# Altium PCB MC21R01.PcbDoc (part 1 of 5) (continued)
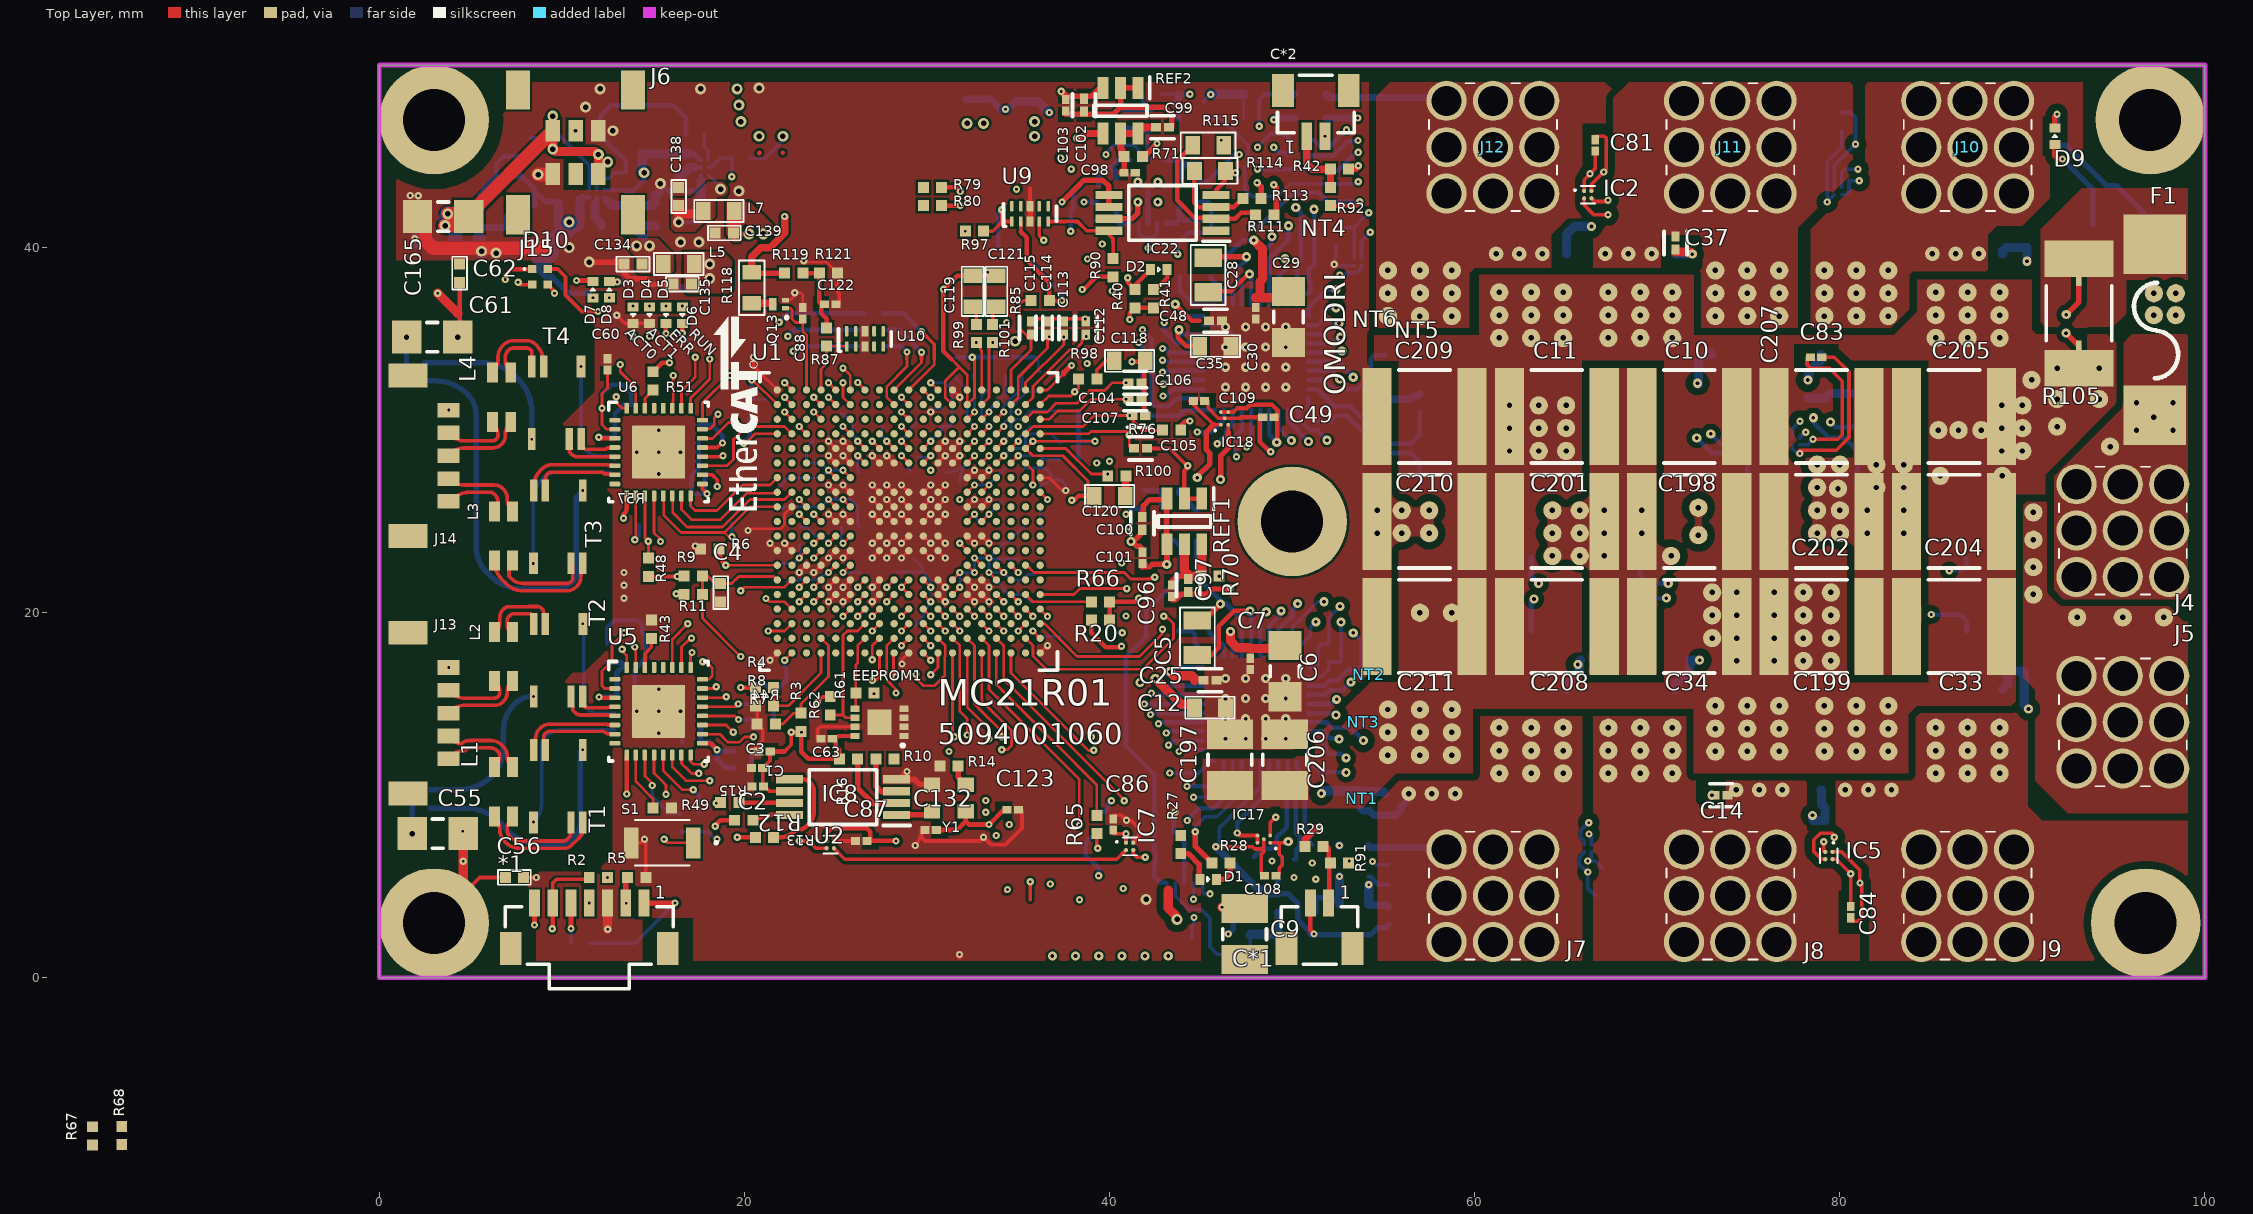
[diagram p0: Top Layer view]
## Components (designator, comment, footprint, x,y, rotation, side; value= is the part's Value field where it differs from the comment) (continued)
C45 "1000pF/16V 0402 10% X7R" "0402 SMD Capacitor" 50.5,38.1 r0 bottom value=1000pF/16V
C46 "1000pF/16V 0402 10% X7R" "0402 SMD Capacitor" 52.4,37.2 r90 bottom value=1000pF/16V
C47 "1000pF/16V 0402 10% X7R" "0402 SMD Capacitor" 52.1,31 r270 bottom value=1000pF/16V
C48 "1uF/6.3V 0201 10% X5R" FP-CL03-IPC_A 45.8,36 r180 top
C49 "100nF/25V 0201 10% X6S" CAPC0603X03N 48.7,30.7 r180 top value=100nF
C50 "100nF/25V 0201 10% X6S" CAPC0603X03N 23.3,29.45 r180 bottom value=100nF
C51 "100nF/25V 0201 10% X6S" CAPC0603X03N 21.55,25.7 r180 bottom value=100nF
C52 "100nF/25V 0201 10% X6S" CAPC0603X03N 13.2,13.6 r180 bottom value=100nF
C53 "100nF/25V 0201 10% X6S" CAPC0603X03N 13.2,14.5 r180 bottom value=100nF
C54 "100nF/25V 0201 10% X6S" CAPC0603X03N 13.9,18.9 r0 bottom value=100nF
C55 "1000pF/2KV" "1206 SMD Capacitor" 3.2,7.9 r0 top
C56 "2200pF/100V 0402 10% X7S" "0402 SMD Capacitor" 7.4,5.5 r180 top value=2200pF/100V
C57 "100nF/25V 0201 10% X6S" CAPC0603X03N 33.3,17.95 r0 bottom value=100nF
C58 "100nF/25V 0201 10% X6S" CAPC0603X03N 13.4,27.5 r180 bottom value=100nF
C59 "100nF/25V 0201 10% X6S" CAPC0603X03N 13.21,28.4 r180 bottom value=100nF
C60 "100nF/25V 0201 10% X6S" CAPC0603X03N 12.5,33.6 r90 top value=100nF
C61 "1000pF/2KV" "1206 SMD Capacitor" 2.9,35.1 r0 top
C62 "2200pF/100V 0402 10% X7S" "0402 SMD Capacitor" 4.4,38.6 r270 top value=2200pF/100V
C63 "100nF/25V 0201 10% X6S" CAPC0603X03N 24.5,13.1 r180 top value=100nF
C64 "10nF/10V 0402 20% X5R" "0402 SMD Capacitor" 13.5,15.5 r0 bottom value=10nF/10V
C65 "100nF/25V 0201 10% X6S" CAPC0603X03N 13.5,16.4 r0 bottom value=100nF
C66 "1uF/6.3V 0201 10% X5R" FP-CL03-IPC_A 13.723,17.132 r0 bottom
C67 "10uF/6.3V 0402 20% X5R" "0402 SMD Capacitor" 12.5,17.8 r90 bottom value=10uF/6.3V
C68 "10nF/10V 0402 20% X5R" "0402 SMD Capacitor" 17.1,12.9 r180 bottom value=10nF/10V
C69 "100nF/25V 0201 10% X6S" CAPC0603X03N 19.9,12.4 r0 bottom value=100nF
C70 "1uF/6.3V 0201 10% X5R" FP-CL03-IPC_A 17.1,13.8 r180 bottom
C71 "1uF/6.3V 0201 10% X5R" FP-CL03-IPC_A 19.9,11.5 r0 bottom
C72 "10nF/10V 0402 20% X5R" "0402 SMD Capacitor" 16.6,26.6 r180 bottom value=10nF/10V
C73 "100nF/25V 0201 10% X6S" CAPC0603X03N 16.6,27.5 r180 bottom value=100nF
C74 "1uF/6.3V 0201 10% X5R" FP-CL03-IPC_A 17,28.4 r180 bottom
C75 "10uF/6.3V 0402 20% X5R" "0402 SMD Capacitor" 18.5,27.6 r0 bottom value=10uF/6.3V
C76 "10nF/10V 0402 20% X5R" "0402 SMD Capacitor" 13.4,29.6 r0 bottom value=10nF/10V
C77 "100nF/25V 0201 10% X6S" CAPC0603X03N 13.4,30.5 r0 bottom value=100nF
C78 "1uF/6.3V 0201 10% X5R" FP-CL03-IPC_A 14.3,31.4 r0 bottom
C79 "1uF/6.3V 0201 10% X5R" FP-CL03-IPC_A 12.2,32.5 r90 bottom
C80 "100nF/25V 0201 10% X6S" CAPC0603X03N 52.4,40.6 r270 bottom value=100nF
C81 "100nF/25V 0201 10% X6S" CAPC0603X03N 66.6,45.6 r90 top value=100nF
C82 "100nF/25V 0201 10% X6S" CAPC0603X03N 80.1,46.9 r270 bottom value=100nF
C83 "100nF/25V 0201 10% X6S" CAPC0603X03N 78.7,34 r180 top value=100nF
C84 "100nF/25V 0201 10% X6S" CAPC0603X03N 80.6,3.6 r90 top value=100nF
C85 "100nF/25V 0201 10% X6S" CAPC0603X03N 66.4,4 r270 bottom value=100nF
C86 "100nF/25V 0201 10% X6S" CAPC0603X03N 40.2,8.4 r90 top value=100nF
C87 "100nF/25V 0201 10% X6S" CAPC0603X03N 26.4,7.5 r180 top value=100nF
C88 "100nF/25V 0201 10% X6S" CAPC0603X03N 23.2,36.4 r90 top value=100nF
C96 "100nF/25V 0201 10% X6S" CAPC0603X03N 43.4,21.2 r270 top value=100nF
C97 "1uF/6.3V 0201 10% X5R" FP-CL03-IPC_A 44.3,21.5 r270 top
C98 "100nF/25V 0201 10% X6S" CAPC0603X03N 41.1,44.1 r0 top value=100nF
C99 "1uF/6.3V 0201 10% X5R" FP-CL03-IPC_A 42.9,46.6 r0 top
C100 "1uF/6.3V 0201 10% X5R" FP-CL03-IPC_A 41.8,24.9 r270 top
C101 "100nF/25V 0201 10% X6S" CAPC0603X03N 41.8,23 r90 top value=100nF
C102 "1uF/6.3V 0201 10% X5R" FP-CL03-IPC_A 38.6,47.8 r270 top
C103 "100nF/25V 0201 10% X6S" CAPC0603X03N 37.6,47.8 r270 top value=100nF
C104 "2200pF/50V 0201 10% X7R" FP-GRM033-0_03-IPC_A 41.4,31.7 r180 top
C105 "2200pF/50V 0201 10% X7R" FP-GRM033-0_03-IPC_A 41.7,29 r180 top
C106 "2200pF/50V 0201 10% X7R" FP-GRM033-0_03-IPC_A 41.4,32.6 r180 top
C107 "2200pF/50V 0201 10% X7R" FP-GRM033-0_03-IPC_A 41.6,30.8 r180 top
C108 "100nF/25V 0201 10% X6S" CAPC0603X03N 48.8,5.6 r0 top value=100nF
C109 "100nF/25V 0201 10% X6S" CAPC0603X03N 44.9,31.6 r180 top value=100nF
C110 "2200pF/50V 0201 10% X7R" FP-GRM033-0_03-IPC_A 36.1,32.6 r270 bottom
C111 "2200pF/50V 0201 10% X7R" FP-GRM033-0_03-IPC_A 35.2,33.5 r270 bottom
C112 "2200pF/50V 0201 10% X7R" FP-GRM033-0_03-IPC_A 38.7,35.6 r270 top
C113 "2200pF/50V 0201 10% X7R" FP-GRM033-0_03-IPC_A 37.5,35.6 r270 top
C114 "2200pF/50V 0201 10% X7R" FP-GRM033-0_03-IPC_A 36.6,35.6 r270 top
C115 "2200pF/50V 0201 10% X7R" FP-GRM033-0_03-IPC_A 35.7,35.6 r270 top
C116 "1uF/6.3V 0201 10% X5R" FP-CL03-IPC_A 40.7,47 r90 bottom
C117 "100nF/25V 0201 10% X6S" CAPC0603X03N 41.5,47 r90 bottom value=100nF
C118 "22uF/10V 0603 20% X5R" "0603 SMD capacitor" 41.1,33.8 r0 top value=22uF/10V
C119 "22uF/10V 0603 20% X5R" "0603 SMD capacitor" 32.5,37.6 r90 top value=22uF/10V
C120 "22uF/10V 0603 20% X5R" "0603 SMD capacitor" 40,26.4 r180 top value=22uF/10V
C121 "22uF/10V 0603 20% X5R" "0603 SMD capacitor" 33.8,37.6 r90 top value=22uF/10V
C122 "100nF/25V 0201 10% X6S" CAPC0603X03N 24.7,36.9 r0 top value=100nF
C123 "100nF/25V 0201 10% X6S" CAPC0603X03N 34.7,9.2 r0 top value=100nF
C124 "2200pF/50V 0201 10% X7R" FP-GRM033-0_03-IPC_A 32.5,33.5 r90 bottom
C125 "2200pF/50V 0201 10% X7R" FP-GRM033-0_03-IPC_A 31.6,33.5 r90 bottom
C126 "2200pF/50V 0201 10% X7R" FP-GRM033-0_03-IPC_A 34.3,33.5 r90 bottom
C127 "2200pF/50V 0201 10% X7R" FP-GRM033-0_03-IPC_A 33.4,33.5 r90 bottom
C128 "2200pF/50V 0201 10% X7R" FP-GRM033-0_03-IPC_A 37.8,29.3 r0 bottom
C129 "2200pF/50V 0201 10% X7R" FP-GRM033-0_03-IPC_A 37.8,31.1 r0 bottom
C130 "2200pF/50V 0201 10% X7R" FP-GRM033-0_03-IPC_A 37.8,28.4 r0 bottom
C131 "2200pF/50V 0201 10% X7R" FP-GRM033-0_03-IPC_A 37.8,30.2 r0 bottom
C132 "100nF/25V 0201 10% X6S" CAPC0603X03N 30.2,8.1 r180 top value=100nF
C134 "2.2uF/6.3V 0402 10% X5R" "0402 SMD Capacitor" 13.9,39.1 r180 top value=2.2uF/6.3V
C135 "2.2uF/6.3V 0402 10% X5R" "0402 SMD Capacitor" 16.6,38 r180 top value=2.2uF/6.3V
C136 "2.2uF/6.3V 0402 10% X5R" "0402 SMD Capacitor" 31.8,45.9 r180 bottom value=2.2uF/6.3V
C137 "2.2uF/6.3V 0402 10% X5R" "0402 SMD Capacitor" 35,47.5 r90 bottom value=2.2uF/6.3V
C138 "10uF/6.3V 0402 20% X5R" "0402 SMD Capacitor" 16.4,42.8 r90 top value=10uF/6.3V
C139 "10uF/6.3V 0402 20% X5R" "0402 SMD Capacitor" 18.9,40.8 r180 top value=10uF/6.3V
C140 "100nF/25V 0201 10% X6S" CAPC0603X03N 26.8,27.7 r0 bottom value=100nF
C141 "100nF/25V 0201 10% X6S" CAPC0603X03N 28.55,27.7 r180 bottom value=100nF
C142 "100nF/25V 0201 10% X6S" CAPC0603X03N 33.3,24.7 r0 bottom value=100nF
C143 "100nF/25V 0201 10% X6S" CAPC0603X03N 24.8,24.7 r180 bottom value=100nF
C144 "100nF/25V 0201 10% X6S" CAPC0603X03N 26.3,22.7 r90 bottom value=100nF
C145 "100nF/25V 0201 10% X6S" CAPC0603X03N 27.847,22.233 r180 bottom value=100nF
C146 "100nF/25V 0201 10% X6S" CAPC0603X03N 30.3,22.2 r0 bottom value=100nF
C147 "100nF/25V 0201 10% X6S" CAPC0603X03N 31.8,26.7 r270 bottom value=100nF
C148 "100nF/25V 0201 10% X6S" CAPC0603X03N 30.55,27.7 r180 bottom value=100nF
C149 "100nF/25V 0201 10% X6S" CAPC0603X03N 33.9,27 r0 bottom value=100nF
C150 "100nF/25V 0201 10% X6S" CAPC0603X03N 30.8,30.7 r90 bottom value=100nF
C151 "100nF/25V 0201 10% X6S" CAPC0603X03N 27.05,30.2 r180 bottom value=100nF
C152 "100nF/25V 0201 10% X6S" CAPC0603X03N 29.3,20.7 r270 bottom value=100nF
C153 "100nF/25V 0201 10% X6S" CAPC0603X03N 24.55,19.2 r270 bottom value=100nF
C154 "100nF/25V 0201 10% X6S" CAPC0603X03N 22.55,23.7 r180 bottom value=100nF
C155 "100nF/25V 0201 10% X6S" CAPC0603X03N 27.8,19.45 r270 bottom value=100nF
C156 "100nF/25V 0201 10% X6S" CAPC0603X03N 26.2,26.3 r90 bottom value=100nF
C157 "100nF/25V 0201 10% X6S" CAPC0603X03N 26.8,24.7 r0 bottom value=100nF
C158 "100nF/25V 0201 10% X6S" CAPC0603X03N 34.848,23.8 r0 bottom value=100nF
C159 "100nF/25V 0201 10% X6S" CAPC0603X03N 31.777,22.47 r90 bottom value=100nF
C160 "100nF/25V 0201 10% X6S" CAPC0603X03N 31.8,24.45 r90 bottom value=100nF
C161 "100nF/25V 0201 10% X6S" CAPC0603X03N 35,17.6 r270 bottom value=100nF
C162 "100nF/25V 0201 10% X6S" CAPC0603X03N 35.55,22.95 r0 bottom value=100nF
C163 "100nF/25V 0201 10% X6S" CAPC0603X03N 36.4,22.1 r0 bottom value=100nF
C164 "100nF/25V 0201 10% X6S" CAPC0603X03N 31.4,17.4 r0 bottom value=100nF
C165 "10uf/50V 1206 10% X5R" "1206 SMD Capacitor" 3.5,41.7 r180 top value=10uF/50V
C166 "4.7uf/50V 0805 10% X5R" "0805 SMD capacitor" 3.1,40.3 r180 bottom value=4.7uF/50V
C167 "100nF/25V 0201 10% X6S" CAPC0603X03N 3.4,42 r180 bottom value=100nF
C168 "22uF/10V 0603 20% X5R" "0603 SMD capacitor" 9.8,43.3 r90 bottom value=22uF/10V
C170 "47nF/16V 0402 10% X7R" "0402 SMD Capacitor" 43.3,26.7 r0 bottom value=47nF/16V
C171 "4.7uF/16V 0603 10% X5R" "0603 SMD capacitor" 7.9,39.4 r180 bottom value=4.7uF/16V
C172 "1uF/6.3V 0201 10% X5R" FP-CL03-IPC_A 11,40.5 r270 bottom
C173 "22uF/10V 0603 20% X5R" "0603 SMD capacitor" 15.1,42 r90 bottom value=22uF/10V
C174 "4.7uF/16V 0603 10% X5R" "0603 SMD capacitor" 14.4,46 r90 bottom value=4.7uF/16V
C175 "1uF/6.3V 0201 10% X5R" FP-CL03-IPC_A 15.6,45.6 r90 bottom
C176 "22uF/10V 0603 20% X5R" "0603 SMD capacitor" 18.4,41.4 r0 bottom value=22uF/10V
C177 "100nF/25V 0201 10% X6S" CAPC0603X03N 21.4,26.9 r180 bottom value=100nF
C178 "100nF/25V 0201 10% X6S" CAPC0603X03N 34.797,27.932 r0 bottom value=100nF
C179 "100nF/25V 0201 10% X6S" CAPC0603X03N 36.3,20.6 r0 bottom value=100nF
C180 "100nF/25V 0201 10% X6S" CAPC0603X03N 35.8,24.7 r0 bottom value=100nF
C181 "100nF/25V 0201 10% X6S" CAPC0603X03N 22.8,19.45 r180 bottom value=100nF
C182 "100nF/25V 0201 10% X6S" CAPC0603X03N 36.8,26.8 r90 bottom value=100nF
C183 "100nF/25V 0201 10% X6S" CAPC0603X03N 29.7,32.6 r180 bottom value=100nF
C184 "100nF/25V 0201 10% X6S" CAPC0603X03N 37.3,18.2 r270 bottom value=100nF
C185 "100nF/25V 0201 10% X6S" CAPC0603X03N 22.8,16.95 r0 bottom value=100nF
C186 "100nF/25V 0201 10% X6S" CAPC0603X03N 21.2,31.2 r270 bottom value=100nF
C187 "100nF/25V 0201 10% X6S" CAPC0603X03N 21.55,22.7 r180 bottom value=100nF
C188 "100nF/25V 0201 10% X6S" CAPC0603X03N 30.524,24.603 r180 bottom value=100nF
C189 "100nF/25V 0201 10% X6S" CAPC0603X03N 29.3,23.45 r90 bottom value=100nF
C190 "100nF/25V 0201 10% X6S" CAPC0603X03N 22.3,21.2 r270 bottom value=100nF
C191 "100nF/25V 0201 10% X6S" CAPC0603X03N 22.55,24.7 r180 bottom value=100nF
C192 "100nF/25V 0201 10% X6S" CAPC0603X03N 25.347,31.4 r90 bottom value=100nF
C193 "100nF/25V 0201 10% X6S" CAPC0603X03N 29.4,30.9 r90 bottom value=100nF
C194 "100nF/25V 0201 10% X6S" CAPC0603X03N 34.796,26.117 r0 bottom value=100nF
C195 "100nF/25V 0201 10% X6S" CAPC0603X03N 29.3,18.7 r270 bottom value=100nF
C196 "10nF/10V 0402 20% X5R" "0402 SMD Capacitor" 42.3,47 r90 bottom value=10nF/10V
C197 "2.2uF/100V 1210 10% X7R" "1210 SMD capacitor h=2mm" 46.595,11.941 r90 top value=2.2uF/100V
C198 "22uF/100V 2220 20% X7S" "2220 SMD Capacitor H=5MM" 71.75,25 r0 top locked value=22uF/100V
C199 "22uF/100V 2220 20% X7S" "2220 SMD Capacitor H=5MM" 79,19.25 r180 top locked value=22uF/100V
C200 "2.2uF/100V 1210 10% X7R" "1210 SMD capacitor h=2mm" 95.25,38.25 r0 bottom value=2.2uF/100V
C201 "22uF/100V 2220 20% X7S" "2220 SMD Capacitor H=5MM" 64.5,25 r180 top locked value=22uF/100V
C202 "22uF/100V 2220 20% X7S" "2220 SMD Capacitor H=5MM" 79,25 r180 top locked value=22uF/100V
C203 "2.2uF/100V 1210 10% X7R" "1210 SMD capacitor h=2mm" 95.25,41.25 r0 bottom value=2.2uF/100V
C204 "22uF/100V 2220 20% X7S" "2220 SMD Capacitor H=5MM" 86.25,25 r0 top locked value=22uF/100V
C205 "22uF/100V 2220 20% X7S" "2220 SMD Capacitor H=5MM" 86.25,30.75 r0 top locked value=22uF/100V
C206 "2.2uF/100V 1210 10% X7R" "1210 SMD capacitor h=2mm" 49.6,11.941 r90 top value=2.2uF/100V
C207 "22uF/100V 2220 20% X7S" "2220 SMD Capacitor H=5MM" 79,30.75 r180 top locked value=22uF/100V
C208 "22uF/100V 2220 20% X7S" "2220 SMD Capacitor H=5MM" 64.5,19.25 r180 top locked value=22uF/100V
C209 "22uF/100V 2220 20% X7S" "2220 SMD Capacitor H=5MM" 57.25,30.75 r0 top locked value=22uF/100V
C210 "22uF/100V 2220 20% X7S" "2220 SMD Capacitor H=5MM" 57.25,25 r0 top locked value=22uF/100V
C211 "22uF/100V 2220 20% X7S" "2220 SMD Capacitor H=5MM" 57.25,19.25 r0 top locked value=22uF/100V
C*1 "Molex 501331-0207" "Molex 501331-0207" 52,4.1 r0 top
C*2 "Molex 501331-0207" "Molex 501331-0207" 50.8,46.1 r180 top locked
D1 "Red" "0402 SMD LED Red" 45.4,5.4 r180 top
D2 "Red" "0402 SMD LED Red" 42.7,38.8 r180 top
D3 "Green" "0402 SMD LED GREEN" 13.9,36.3 r90 top
D4 "Green" "0402 SMD LED GREEN" 14.8,36.3 r90 top
D5 "Red" "0402 SMD LED Red" 15.7,36.3 r90 top
D6 "Green" "0402 SMD LED GREEN" 16.6,36.3 r90 top
D7 "Green" "0402 SMD LED GREEN" 11.7,37.7 r270 top
D8 "Green" "0402 SMD LED GREEN" 12.6,37.7 r270 top
D9 "Green" "0402 SMD LED GREEN" 91.781,46.106 r270 top
D10 "RGB LED" "LRTB R48G" 8.8,38.4 r90 top
EEPROM1 "CAT24C16HU4I-GT3" PQFN50P300X200X50_HS-9N 27.4,14 r180 top
F1 "0463030.ER" 0463030.ER 97.25,35.5 r90 top
IC1 "TMP144YFFT" TMP144YFFT 53.6,39.2 r270 bottom
IC2 "TMP144YFFT" TMP144YFFT 66.195,42.9 r0 top
IC3 "TMP144YFFT" TMP144YFFT 79.9,43.1 r270 bottom
IC4 "TMP144YFFT" TMP144YFFT 77.6,29.4 r0 bottom
IC5 "TMP144YFFT" TMP144YFFT 79.4,6.7 r270 top
IC6 "TMP144YFFT" TMP144YFFT 66.2,7.1 r0 bottom
IC7 "TMP144YFFT" TMP144YFFT 41.1,7.2 r0 top
IC8 "TMP144YFFT" TMP144YFFT 24.7,7.3 r0 top
IC17 "OPA330AIYFFT" "OPA330 DSBGA" 48.446,7.6 r90 top
IC18 "OPA330AIYFFT" "OPA330 DSBGA" 46.3,30.646 r0 top
IC19 "OPA4330AIRGY" "OPA4330 RGY" 42.098,43.05 r0 bottom
IC20 "LMZM23601V5SILR" LMZM23601V5SILR 6.55,41.7 r0 bottom
IC21 "TPS6208833YFPT" BGA6C40P2X3_80X120X50 11.9,42.97 r270 bottom
IC22 "INA240A1PW" SOP65P640X120-8N 42.9,41.9 r180 top
IC23 "TPS6208812YFPT" BGA6C40P2X3_80X120X50 17.811,44.389 r180 bottom
J4 "WE_7461094" WE_7461094 95.5,24.5 r90 top locked
J5 "WE_7461094" WE_7461094 95.5,14 r90 top locked
J6 "Molex 5055680381" "Molex 5055680381" 9.5,46.4 r0 top
J7 "WE_7461094" WE_7461094 61,4.5 r0 top locked
J8 "WE_7461094" WE_7461094 74,4.5 r0 top locked
J9 "WE_7461094" WE_7461094 87,4.5 r0 top locked
J10 "WE_7461094" WE_7461094 87,45.5 r180 top locked
J11 "WE_7461094" WE_7461094 74,45.5 r180 top locked
J12 "WE_7461094" WE_7461094 61,45.5 r180 top locked
J13 "Molex 5055680581" "Molex 5055680581" 3.8,12 r90 top
J14 "Molex 5055680581" "Molex 5055680581" 3.8,26.1 r90 top
J15 "Molex 5055680381" "Molex 5055680381" 12,44.03 r180 top locked
L1 "2200Ohm" 744232222 6.8,10.2 r90 top
L2 "2200Ohm" 744232222 6.8,17.6 r270 top
L3 "2200Ohm" 744232222 6.8,24.2 r90 top
L4 "2200Ohm" 744232222 6.7,31.8 r270 top
L5 "60R@100MHz" "0603 SMD inductor" 16.4,39.1 r180 top
L6 "60R@100MHz" "0603 SMD inductor" 34.2,45.9 r180 bottom
L7 "220R @ 100MHz" "0603 SMD inductor" 18.6,42 r180 top
L8 "470nH" "0603 SMD inductor" 13,41.2 r180 bottom
L9 "240nH" "0603 SMD inductor" 16.46,43.1 r90 bottom
NT1 "Net Tie SMD" "Net Tie SMD 0.4x0.8mm"#1 53.8,9.8 r0 top net-tie
NT2 "Net Tie SMD" "Net Tie SMD 0.4x0.8mm"#2 54.2,16.6 r0 top net-tie
NT3 "Net Tie SMD" "Net Tie SMD 0.4x0.8mm"#3 53.9,14 r90 top net-tie
NT4 "Net Tie SMD" "Net Tie SMD 0.4x0.8mm"#3 51,41.3 r0 top net-tie
NT5 "Net Tie SMD" "Net Tie SMD 0.4x0.8mm"#1 56,34 r0 top net-tie
NT6 "Net Tie SMD" "Net Tie SMD 0.4x0.8mm"#4 53.5,34.4 r90 top net-tie
NT7 "Net Tie SMD" "Net Tie SMD 0.4x0.8mm"#5 32.975,48.125 r180 bottom net-tie
Q1 "TPW3R70APL" "DSOP Advance Toshiba" 57,12.95 r90 bottom locked
Q2 "TPW3R70APL" "DSOP Advance Toshiba" 74.929,13.15 r90 bottom locked
Q3 "TPW3R70APL" "DSOP Advance Toshiba" 80.906,13.15 r90 bottom locked
Q4 "TPW3R70APL" "DSOP Advance Toshiba" 63.094,12.95 r270 bottom locked
Q5 "TPW3R70APL" "DSOP Advance Toshiba" 69.071,12.95 r270 bottom locked
Q6 "TPW3R70APL" "DSOP Advance Toshiba" 87,12.95 r270 bottom locked
Q7 "TPW3R70APL" "DSOP Advance Toshiba" 87,36.8 r270 bottom locked
Q8 "TPW3R70APL" "DSOP Advance Toshiba" 69.071,36.8 r270 bottom locked
Q9 "TPW3R70APL" "DSOP Advance Toshiba" 63.094,36.8 r270 bottom locked
Q10 "TPW3R70APL" "DSOP Advance Toshiba" 80.906,37 r90 bottom locked
Q11 "TPW3R70APL" "DSOP Advance Toshiba" 74.929,37 r90 bottom locked
Q12 "TPW3R70APL" "DSOP Advance Toshiba" 57,37 r90 bottom locked
Q13 "BC847BMB,315" SOT883B 21.9,36.9 r180 top
R1 "2K2 1%" "0402 SMD rESISTOR" 11,1.9 r0 bottom value=2.2k
R2 "22R 1%" "0402 SMD rESISTOR" 12,5.5 r180 top value=22R
R3 "56k 1%" "0402 SMD rESISTOR" 23.1,14 r270 top value=56k
R4 "56k 1%" "0402 SMD rESISTOR" 21.1,15.9 r180 top value=56k
R5 "2K2 1%" "0402 SMD rESISTOR" 14.1,5.5 r180 top value=2.2k
R6 "2K2 1%" "0402 SMD rESISTOR" 18.1,23.5 r0 top value=2.2k
R7 "2K2 1%" "0402 SMD rESISTOR" 21.2,13.9 r0 top value=2.2k
R8 "2K2 1%" "0402 SMD rESISTOR" 21.1,14.9 r0 top value=2.2k
R9 "4.7K 1%" "0402 SMD rESISTOR" 17.2,22 r180 top value=4.7K
R10 "10R 1%" "0402 SMD rESISTOR" 27.7,12 r180 top value=10R
R11 "0R 1%" "0402 SMD rESISTOR" 17.2,21 r180 top value=0R
R12 "10R 1%" "0402 SMD rESISTOR" 19.966,8.634 r0 top value=10R
R13 "10R 1%" "0402 SMD rESISTOR" 21.1,7.7 r0 top value=10R
R14 "0R 1%" "0402 SMD rESISTOR" 31.2,11.6 r180 top value=0R
R15 "10R 1%" "0402 SMD rESISTOR" 19.2,9.6 r0 top value=10R
R16 "10K 1%" "0402 SMD rESISTOR" 25.7,12 r180 top value=10K
R17 "390k 1%" "0603 SMD resistor" 54.2,6.4 r90 bottom
R18 "390k 1%" "0603 SMD resistor" 52.6,6.4 r90 bottom
R19 "390k 1%" "0603 SMD resistor" 47.7,3.2 r90 bottom
R20 "1K 1%" "0402 SMD rESISTOR" 39.5,19.6 r180 top value=1K
R21 "12k 1%" "0603 SMD resistor" 54.2,3.2 r90 bottom
R22 "12k 1%" "0603 SMD resistor" 52.6,3.2 r90 bottom
R23 "12k 1%" "0603 SMD resistor" 50.126,2.424 r180 bottom
R24 "0.005R/3W" "2512 SMD RESISTOR V2 NETTIE" 63.095,21 r0 bottom
R25 "0.005R/3W" "2512 SMD RESISTOR V2 NETTIE" 69.071,21 r0 bottom
R26 "0.005R/3W" "2512 SMD RESISTOR V2 NETTIE" 86.941,21 r0 bottom
R27 "10K 1%" "0402 SMD rESISTOR" 43.9,7.3 r270 top value=10K
R28 "2K2 1%" "0402 SMD rESISTOR" 46.1,6.3 r0 top value=2.2k
R29 "4.7K 1%" "0402 SMD rESISTOR" 51.2,7.2 r180 top value=4.7K
R30 "390k 1%" "0603 SMD resistor" 44.6,47.1 r0 bottom
R31 "390k 1%" "0603 SMD resistor" 51,47.1 r0 bottom
R32 "390k 1%" "0603 SMD resistor" 51,48.4 r0 bottom
R33 "47K 1%" "0402 SMD rESISTOR" 91.9,46.1 r90 bottom value=47K
R34 "12k 1%" "0603 SMD resistor" 44.6,48.4 r180 bottom
R35 "12k 1%" "0603 SMD resistor" 48.2,47.1 r0 bottom
R36 "12k 1%" "0603 SMD resistor" 48.2,48.4 r0 bottom
R37 "0.005R/3W" "2512 SMD RESISTOR V2 NETTIE" 80.905,29 r180 bottom
R38 "0.005R/3W" "2512 SMD RESISTOR V2 NETTIE" 74.929,29 r180 bottom
R39 "0.005R/3W" "2512 SMD RESISTOR V2 NETTIE" 57,29 r180 bottom
R40 "10K 1%" "0402 SMD rESISTOR" 41.4,37.2 r90 top value=10K
R41 "2K2 1%" "0402 SMD rESISTOR" 42.4,37.2 r90 top value=2.2k
R42 "4.7K 1%" "0402 SMD rESISTOR" 52.6,44.3 r0 top value=4.7K
R43 "2.49K 1%" "0402 SMD rESISTOR" 14.9,19.1 r270 top value=2.49K
R44 "2.49K 1%" "0402 SMD rESISTOR" 21,14.1 r180 bottom value=2.49K
R45 "75R 1%" "0402 SMD rESISTOR" 2.3,9.3 r0 bottom value=75R
R46 "2.49K 1%" "0402 SMD rESISTOR" 17.5,8.5 r270 bottom value=2.49K
R47 "75R 1%" "0402 SMD rESISTOR" 2.3,10.3 r0 bottom value=75R
R48 "2K2 1%" "0402 SMD rESISTOR" 14.749,22.489 r270 top value=2.2k
R49 "6.49K 1%" "0402 SMD rESISTOR" 15.5,9.3 r0 top value=6.49K
R50 "10K 1%" "0402 SMD rESISTOR" 21.1,15 r180 bottom value=10K
R51 "2.49K 1%" "0402 SMD rESISTOR" 15,32.7 r270 top value=2.49K
R52 "2.49K 1%" "0402 SMD rESISTOR" 20.3,31.2 r270 bottom value=2.49K
R53 "75R 1%" "0402 SMD rESISTOR" 2,32.7 r0 bottom value=75R
R54 "2.49K 1%" "0402 SMD rESISTOR" 18.8,24.9 r180 bottom value=2.49K
R55 "75R 1%" "0402 SMD rESISTOR" 2,33.7 r0 bottom value=75R
R56 "2K2 1%" "0402 SMD rESISTOR" 16.5,8.5 r270 bottom value=2.2k
R57 "6.49K 1%" "0402 SMD rESISTOR" 14.2,25.3 r90 bottom value=6.49K
R58 "10K 1%" "0402 SMD rESISTOR" 17.5,29.8 r90 bottom value=10K
R59 "2K2 1%" "0402 SMD rESISTOR" 13.9,36.3 r270 bottom value=2.2k
R60 "2K2 1%" "0402 SMD rESISTOR" 14.8,36.3 r270 bottom value=2.2k
R61 "4.7K 1%" "0402 SMD rESISTOR" 26.6,15.6 r0 top value=4.7K
R62 "4.7K 1%" "0402 SMD rESISTOR" 24.7,14.9 r90 top value=4.7K
R63 "2K2 1%" "0402 SMD rESISTOR" 15.7,37.3 r270 bottom value=2.2k
R64 "2K2 1%" "0402 SMD rESISTOR" 16.6,37.3 r270 bottom value=2.2k
R65 "22R 1%" "0402 SMD rESISTOR" 39.3,8.4 r90 top value=22R
R66 "22R 1%" "0402 SMD rESISTOR" 39.5,20.6 r0 top value=22R
R67 "22R 1%" "0402 SMD rESISTOR" -15.709,-8.654 r90 top value=22R
R68 "22R 1%" "0402 SMD rESISTOR" -14.106,-8.637 r90 top value=22R
R69 "22R 1%" "0402 SMD rESISTOR" 39.4,8.6 r270 bottom value=22R
R70 "1K 1%" "0402 SMD rESISTOR" 45.5,22 r180 top value=1K
R71 "1K 1%" "0402 SMD rESISTOR" 41.3,45 r180 top value=1K
R72 "0R 1%" "0402 SMD rESISTOR" 38.9,43.4 r0 bottom value=0R
R73 "56R 1%" "0402 SMD rESISTOR" 48.393,6.4 r180 bottom value=56R
R74 "56R 1%" "0402 SMD rESISTOR" 50.3,46 r0 bottom value=56R
R75 "56R 1%" "0402 SMD rESISTOR" 55.41,5.591 r270 bottom value=56R
R76 "56R 1%" "0402 SMD rESISTOR" 43.4,30 r0 top value=56R
R77 "2K2 1%" "0402 SMD rESISTOR" 27.1,36.4 r0 bottom value=2.2k
R78 "2K2 1%" "0402 SMD rESISTOR" 27.1,35.5 r0 bottom value=2.2k
R79 "56R 1%" "0402 SMD rESISTOR" 30.3,43.3 r180 top value=56R
R80 "56R 1%" "0402 SMD rESISTOR" 30.3,42.3 r180 top value=56R
R81 "0R 1%" "0402 SMD rESISTOR" 44.9,44.1 r90 bottom value=0R
R82 "56R 1%" "0402 SMD rESISTOR" 50.1,6 r90 bottom value=56R
R83 "56R 1%" "0402 SMD rESISTOR" 50.199,45.09 r0 bottom value=56R
R84 "56R 1%" "0402 SMD rESISTOR" 51.3,4.9 r270 bottom value=56R
R85 "56R 1%" "0402 SMD rESISTOR" 36.2,37.1 r0 top value=56R
R86 "2K2 1%" "0402 SMD rESISTOR" 27.1,34.6 r0 bottom value=2.2k
R87 "22R 1%" "0402 SMD rESISTOR" 24.5,35.1 r90 top value=22R
R88 "0R 1%" "0402 SMD rESISTOR" 44.9,42 r270 bottom value=0R
R89 "56R 1%" "0402 SMD rESISTOR" 41.9,26.2 r90 bottom value=56R
R90 "56R 1%" "0402 SMD rESISTOR" 40.2,38.9 r90 top value=56R
R91 "56R 1%" "0402 SMD rESISTOR" 52.6,6.3 r180 top value=56R
R92 "56R 1%" "0402 SMD rESISTOR" 52.1,42.8 r90 top value=56R
R93 "0R 1%" "0402 SMD rESISTOR" 39.3,42 r270 bottom value=0R
R94 "56R 1%" "0402 SMD rESISTOR" 51.1,6.8 r90 bottom value=56R
R95 "56R 1%" "0402 SMD rESISTOR" 52,44.2 r0 bottom value=56R
R96 "56R 1%" "0402 SMD rESISTOR" 45,2.2 r0 bottom value=56R
R97 "56R 1%" "0402 SMD rESISTOR" 32.6,40.9 r0 top value=56R
R98 "0.1R 1%" "0402 SMD rESISTOR" 38.8,32.8 r180 top value=0.1R
R99 "0.1R 1%" "0402 SMD rESISTOR" 32.7,35.3 r270 top value=0.1R
R100 "0.1R 1%" "0402 SMD rESISTOR" 40.4,27.5 r180 top value=0.1R
R101 "0.1R 1%" "0402 SMD rESISTOR" 33.6,35.3 r270 top value=0.1R
R104 "100k 1%" "0402 SMD rESISTOR" 6.9,43.9 r0 bottom value=100k
R105 "0.001R/5W" "2512 SMD RESISTOR V2 NETTIE" 93.1,36.4 r0 top
R106 "390k 1%" "0603 SMD resistor" 43.9,24 r0 bottom
R107 "4.7K 1%" "0402 SMD rESISTOR" 10.8,38.7 r270 bottom value=4.7K
R108 "12k 1%" "0603 SMD resistor" 43.9,25.6 r180 bottom
R109 "0R 1%" "0402 SMD rESISTOR" 8.3,45.5 r270 bottom value=0R
R110 "100k 1%" "0402 SMD rESISTOR" 13.5,43.6 r270 bottom value=100k
R111 "0R 1%" "0402 SMD rESISTOR" 48.5,41.8 r0 top value=0R
R112 "2K2 1%" "0402 SMD rESISTOR" 13.6,38.6 r270 bottom value=2.2k
R113 "0R 1%" "0402 SMD rESISTOR" 47.8,42.7 r180 top value=0R
R114 "390k 1%" "0603 SMD resistor" 45.5,44.2 r180 top
R115 "390k 1%" "0603 SMD resistor" 45.4,45.6 r180 top
R116 "0R 1%" "0402 SMD rESISTOR" 17.3,46.2 r180 bottom value=0R
R117 "100k 1%" "0402 SMD rESISTOR" 19.8,44.9 r0 bottom value=100k
R118 "4K7 5%" "0603 SMD resistor" 20.4,37.8 r90 top
R119 "100k 1%" "0402 SMD rESISTOR" 22.7,38.6 r180 top value=100k
R121 "10K 1%" "0402 SMD rESISTOR" 24.6,38.6 r180 top value=10K
R123 "0.001R/0.5W" "2010 SMD Resistor VERTICAL" 57,19.7 r180 bottom
R124 "0.001R/0.5W" "2010 SMD Resistor VERTICAL" 74.9,19.8 r180 bottom
R125 "0.001R/0.5W" "2010 SMD Resistor VERTICAL" 80.9,19.8 r180 bottom
R126 "0.001R/0.5W" "2010 SMD Resistor VERTICAL" 87,30.2 r180 bottom
R127 "0.001R/0.5W" "2010 SMD Resistor VERTICAL" 63.1,30.2 r180 bottom
R128 "0.001R/0.5W" "2010 SMD Resistor VERTICAL" 69,30.2 r180 bottom
REF1 "REF3433IDBVR" SOT95P280X145-6N 44.1,25 r270 top
REF2 "REF3430IDBVR" SOT95P280X145-6N 40.6,47.5 r270 top
S1 "B3U-1000PM" B3U1000PM 15.5,7.4 r0 top
T1 "74930000" 74930000 9.8,10.5 r270 top
T2 "74930000" 74930000 9.8,17.4 r90 top
T3 "74930000" 74930000 9.8,24.7 r270 top
T4 "74930000" 74930000 9.7,31.5 r90 top
U1 "TMS320F28388DZWTS" ZWT0337A 29,25 r180 top locked
U2 "LMK1C1104PWR" SOP65P640X120-8N 25.4,9.9 r180 top
U3 "DRV8353SRTAR" QFN50P600X600X80_HS-41N 48,14.75 r270 bottom value=Value
U4 "DRV8353SRTAR" QFN50P600X600X80_HS-41N 48,34 r270 bottom value=Value
U5 "DP83826IRHBR" RHB0032B 15.3,14.6 r0 top
U6 "DP83826IRHBR" RHB0032B 15.3,28.8 r0 top
U8 "TPD4S010DQAR" DQA0010A#1 44.1,5.6 r90 bottom
U9 "TPD4S010DQAR" DQA0010A#2 35.644,41.85 r90 top
U10 "TPD4S010DQAR" DQA0010A#2 26.6,35 r90 top
Y1 "ECS-2520S33-250-FN-TR" ECS_ECS-2520S 31.2,9.843 r270 top

## Footprints (in the part's own frame and the unit in brackets; to place one, negate y for a bottom-side part, rotate by r counter-clockwise, add the part's x,y. Pads: shape width x height; smd on the part's side, far side on the other; paste and mask are expansions set on the pad)
"0402 SMD Capacitor" [mm]
  rect 0.6x0.6 smd mask+0: 1(-0.5,0) 2(0.5,0)
  silkscreen extent -0.9,-0.4 0.9,0.4, body extent -0.51,-0.29 0.51,0.29, height 0.51
"0402 SMD LED GREEN" [mm]
  rect 0.5x0.6 smd mask+0: A(0.45,0) K(-0.45,0)
  silkscreen extent -0.07,-0.13 0.06,0.12, body extent -0.49,-0.29 0.49,0.29, height 0.2
"0402 SMD LED Red" [mm]
  rect 0.5x0.6 smd mask+0: A(0.45,0) K(-0.45,0)
  silkscreen extent -0.07,-0.13 0.06,0.12, body extent -0.49,-0.29 0.49,0.29, height 0.2
"0402 SMD rESISTOR" [mm]
  rect 0.6x0.6 smd mask+0: 1(-0.5,0) 2(0.5,0)
  body extent -0.51,-0.29 0.51,0.29, height 0.36
"0603 SMD capacitor" [mm] "0603 smd"
  rect 0.8x1 smd mask+0: 1(-0.85,0) 2(0.85,0)
  silkscreen extent -1.35,-0.6 1.35,0.6, body extent -0.82,-0.42 0.82,0.42, height 0.51
"0603 SMD inductor" [mm] "0603 smd"
  rect 0.8x1 smd mask+0: 1(-0.85,0) 2(0.85,0)
  silkscreen extent -1.35,-0.6 1.35,0.6, body extent -0.82,-0.42 0.82,0.42, height 1.01
"0603 SMD resistor" [mm] "0603 smd"
  rect 0.8x1 smd mask+0: 1(-0.85,0) 2(0.85,0)
  silkscreen extent -1.5,-0.7 1.5,0.7, body extent -0.81,-0.41 0.81,0.41, height 0.51
"0805 SMD capacitor" [mm] "Chip Capacitor; Body 2.0 x 1.2 mm (LxW typ)"
  rect 1x1.5 smd: 1(-0.95,0) 2(0.95,0)
  silkscreen extent -1.65,-0.95 1.65,0.95, body extent -1.01,-0.66 1.01,0.66, height 0.51
"1206 SMD Capacitor" [mm] "Chip Resistor; Body 3.2 x 1.6 mm (LxW typ)"
  rect 1.6x1.8 smd: 1(-1.4,0) 2(1.4,0)
  silkscreen extent -0.3,-0.8 0.3,0.8, body extent -1.56,-0.81 1.56,0.81, height 0.51
"1210 SMD capacitor h=2mm" [mm]
  rect 1.6x2.54 smd: 1(-1.4,0) 2(1.4,0)
  silkscreen extent -0.3,-1.2 0.3,1.2, body extent -1.56,-1.28 1.56,1.28, height 2.01
"2010 SMD Resistor VERTICAL" [mm] "2010"
  rect 3.05x2.36 smd: 1(0,1.84) 2(0,-1.88)
  body extent -1.33,-2.41 1.35,2.66, height 0.64
"2220 SMD Capacitor H=5MM" [mm]
  rect 1.6x5.3 smd: 1(2.6,0) 2(-2.6,0)
  silkscreen extent -1.4,-2.55 1.4,2.55, body extent -3,-2.5 3,2.5, height 5
"2512 SMD RESISTOR V2 NETTIE" [mm] "2512"
  rect 3.8x2 smd: 1(0,-3) 2(0,3)
  rect 0.3x1 smd: 3(0,-2) 4(0,2)
  silkscreen extent -1.8,-1.5 1.8,1.5, body extent -1.61,-3.31 1.61,3.31, height 0.61
0463030.ER [mm] "Littelfuse 100VDC 30A"
  rect 3.25x3.43 smd: 1(-4.675,0) 2(4.675,0)
  silkscreen extent -2.66,-1.28 2.58,1.14, body extent -5.2,-1.6 5.2,1.6, height 3.1
74930000 [mm] "Super Tiny Signal Transformer"
  rect 1.2x0.41 smd: 1(-1.99,-1.35) 2(-1.99,-0.7) 3(-1.99,1.35) 4(-1.99,1.35) 6(1.99,0.7) 7(1.99,1.35)
  rect 1.2x0.5 smd: 5(1.99,-1.35)
  body extent -2.35,-1.61 2.35,1.61, height 2.88
744232222 [mm] "Common Mode Line Filter"
  rect 1.1x0.6 smd: 1(-1.35,0.5) 2(1.35,0.5) 3(1.35,-0.5) 4(-1.35,-0.5)
  body extent -1.6,-0.8 1.6,0.8, height 1.8
B3U1000PM [mm]
  rect 0.8x1.7 smd: 1(1.7,0) 2(-1.7,0)
  silkscreen extent -1.5,-1.25 3,1.25, body extent -1.52,-1.27 1.52,1.27, height 1.6
BGA6C40P2X3_80X120X50 [mm]
  round 0.23 smd paste+0.01 mask+0.05: A1(-0.2,0.4) A2(0.2,0.4) B1(-0.2,0) B2(0.2,0) C1(-0.2,-0.4) C2(0.2,-0.4)
  silkscreen extent -0.76,-0.86 0.66,0.96, body extent -0.4,-0.6 0.4,0.6, height 0.5
CAPC0603X03N [mm] "Chip Capacitor, 2-Leads, Body 0,60x0,30mm, IPC Medium Density"
  rect 0.5x0.42 smd: 1(-0.31,0) 2(0.31,0)
  body extent -0.32,-0.17 0.32,0.17, height 0.33
DQA0010A#1 [mm] "SON, 10-Leads, Body 1x2.5mm, Pitch 0.5mm, TI Recommended"
  rrect50% 0.565x0.2 smd: 1(-0.417,1) 2(-0.417,0.5) 4(-0.417,-0.5) 5(-0.417,-1) 6(0.418,-1) 7(0.418,-0.5) 9(0.418,0.5) 10(0.418,1)
  rrect25% 0.565x0.4 smd paste-0.2: 3(-0.417,0) 8(0.418,0)
  rrect50% 0.565x0.36 on Bottom Paste: 3(-0.417,0) 8(0.418,0)
  silkscreen extent -0.67,-1.45 0.55,1.45, body extent -0.55,-1.3 0.55,1.3, height 0.56
DQA0010A#2 [mm] "SON, 10-Leads, Body 1x2.5mm, Pitch 0.5mm, TI Recommended"
  rrect50% 0.565x0.2 smd: 1(-0.418,1) 2(-0.418,0.5) 4(-0.418,-0.5) 5(-0.418,-1) 6(0.417,-1) 7(0.417,-0.5) 9(0.417,0.5) 10(0.417,1)
  rrect25% 0.565x0.4 smd paste-0.2: 3(-0.418,0) 8(0.417,0)
  rrect50% 0.565x0.36 on Top Paste: 3(-0.418,0) 8(0.417,0)
  silkscreen extent -0.68,-1.45 0.55,1.45, body extent -0.55,-1.3 0.55,1.3, height 0.56
"DSOP Advance Toshiba" [mm] "Transistor; 1.27mm pitch, 8 pin, 6.00mm L X 5.00mm W X 1.1mm H body"
  rect 1.45x0.85 smd paste-0.05: 1(-2.858,1.925) 2(-2.858,0.655) 3(-2.858,-0.615) 4(-2.858,-1.925)
  rect 1x0.85 smd paste-0.05: 5(2.857,-1.925) 6(2.857,-0.615) 7(2.857,0.655) 8(2.857,1.925)
  rect 3.85x4.7 smd paste-2.5: 8(0.467,0)
  silkscreen extent -3.74,-2.71 2.89,2.81, body extent -3.1,-2.49 2.9,2.51, height 0.74
ECS_ECS-2520S [mm]
  rrect12% 0.8x0.9 smd: 1(-0.725,0.925) 2(-0.725,-0.925) 3(0.725,-0.925) 4(0.725,0.925)
  body extent -1.05,-1.3 1.05,1.3, height 1
FP-CL03-IPC_A [mm]
  rect 0.554x0.463 smd paste+0 mask+0: 1(-0.354,0) 2(0.354,0)
  silkscreen extent -0.63,-0.63 0.63,0.63, body extent -0.83,-0.43 0.83,0.43, height 0.25
FP-GRM033-0_03-IPC_A [mm]
  rect 0.554x0.463 smd paste+0 mask+0: 1(-0.354,0) 2(0.354,0)
  silkscreen extent -0.63,-0.63 0.63,0.63, body extent -0.3,-0.15 0.3,0.15, height 0.33
LMZM23601V5SILR [mm]
  rect 0.65x0.3 smd: 1(-1.075,1.2) 2(-1.075,0.6) 3(-1.075,0) 4(-1.075,-0.6) 5(-1.075,-1.2) 6(1.975,-1.2) 7(1.975,-0.6) 8(1.975,0) 9(1.975,0.6) 10(1.975,1.2)
  rect 0.7x2.9 smd: 11(0.45,0)
  silkscreen extent -2.35,-1.5 1.45,1.5, body extent -1.46,-1.49 2.34,1.51, height 1.58
"LRTB R48G" [mm]
  rect 0.45x0.45 smd: 1(0.425,0.425) 2(0.425,-0.425) 3(-0.425,-0.425) 4(-0.425,0.425)
  silkscreen extent 0.38,0.8 0.47,0.9, body extent -0.51,-0.51 0.51,0.51, height 0.65
"Molex 501331-0207" [mm] "Molex 5013310207"
  rect 0.6x1.5 smd: 1(0,0) 2(-1,0)
  rect 1.2x1.8 smd: M1(1.3,-2.5) M2(-2.3,-2.5)
  silkscreen extent -2.6,-3.35 1.6,-0.2, body extent -2.62,-3.2 1.62,0.4, height 6.41
"Molex 501331-0707" [mm] "Molex 5013310707"
  rect 0.6x1.5 smd: 1(0,0) 2(-1,0) 3(-2,0) 4(-3,0) 5(-4,0) 6(-5,0) 7(-6,0)
  rect 1.2x1.8 smd: M1(1.3,-2.5) M2(-7.3,-2.5)
  silkscreen extent -7.6,-4.7 1.6,-0.2, body extent -7.62,-4.99 1.62,0.4, height 6.91
"Molex 5055680381" [mm]
  rect 0.8x1.2 smd: 1(0,0) 2(1.25,0) 3(2.5,0)
  rect 1.3x2.15 smd: M(-1.9,2.23) M(4.4,2.23)
  body extent -2.2,-0.2 4.8,4.12, height 7.27
"Molex 5055680581" [mm]
  rect 0.8x1.2 smd: 1(0,0) 2(1.25,0) 3(2.5,0) 4(3.75,0) 5(5,0)
  rect 1.3x2.15 smd: M(-1.9,2.23) M(6.9,2.23)
  body extent -2.23,-0.29 7.27,3.96, height 7.37
"Net Tie SMD 0.4x0.8mm"#1 [mm] "Net Tie SMD"
  rect 0.2x0.4 on Mid5 paste-2 mask-2: 1(-0.3,0) 2(0.3,0)
  Layer 6 region: -0.3,-0.2 0.3,-0.2 0.3,0.2 -0.3,0.2
"Net Tie SMD 0.4x0.8mm"#2 [mm] "Net Tie SMD"
  Layer 7 region: -0.3,-0.2 0.3,-0.2 0.3,0.2 -0.3,0.2
"Net Tie SMD 0.4x0.8mm"#3 [mm] "Net Tie SMD"
  rect 0.2x0.4 on Mid4 paste-2 mask-2: 1(-0.3,0) 2(0.3,0)
  Layer 5 region: -0.3,-0.2 0.3,-0.2 0.3,0.2 -0.3,0.2
"Net Tie SMD 0.4x0.8mm"#4 [mm] "Net Tie SMD"
  rect 0.2x0.4 on Mid6 paste-2 mask-2: 1(-0.3,0) 2(0.3,0)
  Layer 7 region: -0.3,-0.2 0.3,-0.2 0.3,0.2 -0.3,0.2
"Net Tie SMD 0.4x0.8mm"#5 [mm] "Net Tie SMD"
  rect 0.2x0.4 smd paste-2 mask-2: 1(-0.3,0) 2(0.3,0)
  Top Layer region: -0.3,0.2 0.3,0.2 0.3,-0.2 -0.3,-0.2
"OPA330 DSBGA" [mm] "BGA, 5-Leads, Body 0,82x1,12mmx0,63mm, Pitch 0,40mm"
  round 0.2 smd: A1(0.2,-0.346) A3(-0.2,-0.346) B2(0,0) C1(0.2,0.346) C3(-0.2,0.346)
  silkscreen extent -0.56,-0.71 -0.47,-0.62, body extent -0.41,-0.56 0.41,0.56, height 0.63